# Altium PCB AudioBoxAmp.PcbDoc (part 2 of 2)
Units mil, origin at the board's own origin, x right, y up, seen from the top; angles counter-clockwise.
Board outline 3622 x 3543 mil, 4 copper layers (Top Layer, GND_2, VCC_3, Bottom Layer), stack 23.756 mil thick; 198 components, 124 nets, 577 pads, 120 vias.
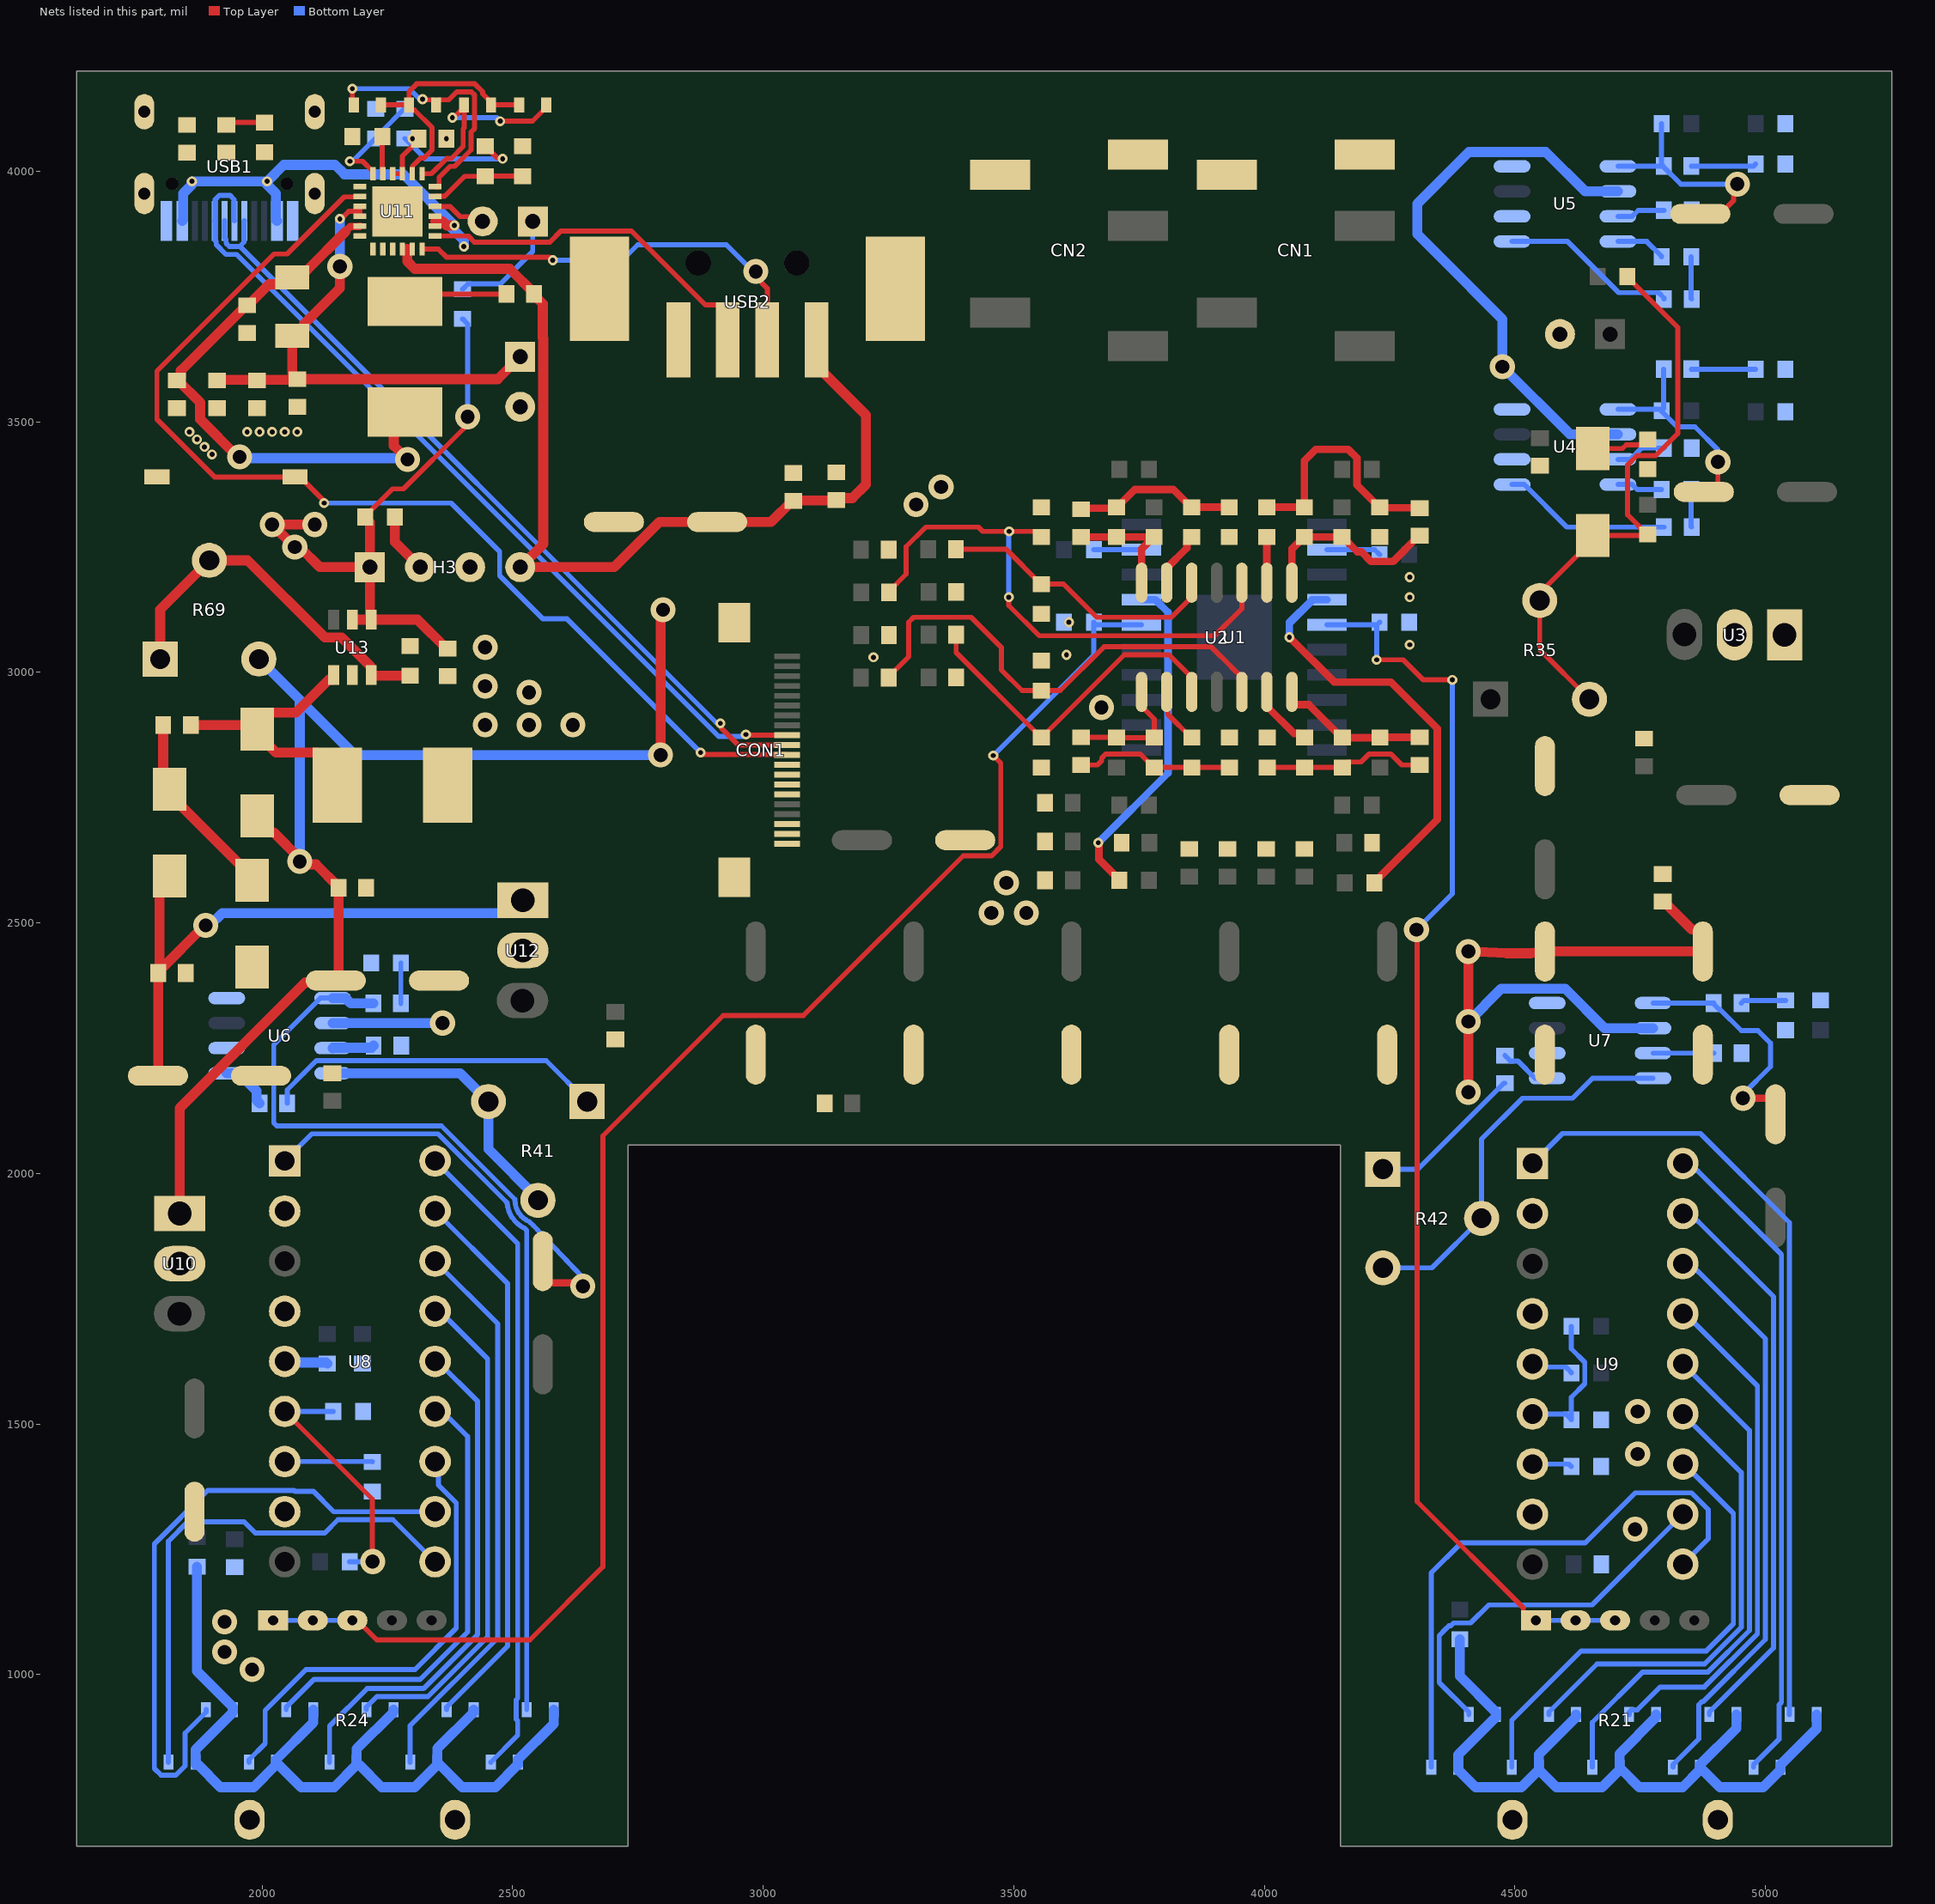
[diagram p4: the nets of this part, all layers, seen from the top]

## Via types
v1: diameter 50, hole 28, Top Layer to Bottom Layer, tented both sides, 72 vias
v2: diameter 20, hole 10, Top Layer to Bottom Layer, tented both sides, 47 vias
v3: diameter 50, hole 20, Top Layer to Bottom Layer, tented both sides, 1 vias

## Nets (pads, with @x,y where several pads share a name; then routed paths per layer and width w, separated by ;. In a path a pad name is that pad's centre, name@x,y a point inside that pad or via, vN(x,y) a via of type N, cw(c..) or ccw(c..) an arc to the next point about the centre after c; other vN are vias at no path point) (continued)
GND: C1.1 C2.2 C3.2 C4.1 C5.1 C6.1 C7.1 C8.1 C9.1 C10.1 C11.1 C12.1 C13.1 C14.2 C15.1 C16.1 C17.2 C18.2 C19.1 C20.2 C21.2 C30.2 C31.1 C33.2 C34.2 C35.2 C36.2 C42.2 C43.2 C44.2 C51.2 C52.2 C53.1 C54.1 C55.2 C56.2 C57.2 C59.2 C60.2 C61.2 C62.1 C63.2 C64.2 C65.2 C66.2 C67.1 C69.2 C70.2 C71.1 C72.2 C73.2 C74.2 CN1.1 CN1.5 CN2.1 CN2.5 CON1.6 CON1.7 CON1.8 CON1.9 CON1.21 CON1.22 D28.1 H1.2 H3.3 H4.2 R5.2 R8.2 R9.1 R12.1 R21.6 R22.1 R23.1 R24.6 R27.2 R28.2 R29.1 R32.1 R37.2 R39.1 R44.1 R45.1 R46.1 R47.1 R48.1 R49.1 R56.2 R57.2 R58.2 R59.2 R60.2 R65.2 R67.2 R70.2 R71.1 S1.2 U3.2 U4.2 U4.4 U5.2 U5.4 U6.2 U6.4 U7.2 U7.4 U8.2 U8.4 U8.8 U9.2 U9.4 U9.8 U10.2 U11.7 U11.12 U11.25 U12.2 U13.2 USB1.A1B12 USB1.B1A12 USB1.EP USB2.4 USB2.5
  other v1: 1980,1010 1925,1045 1925,1105 4740,1290 4745,1440 4745,1525 3455,2520 3525,2520 3485,2580 3675,2930 3305,3335 3355,3370
  other v2: 3220,3030 3605,3035 4290,3055 3610,3100 4290,3150 4290,3190 1900,3435 1885,3450 1870,3465 1855,3480 1970,3480 1995,3480 2020,3480 2045,3480 2070,3480 2367.55,4065
NetC22_1: C22.1 R5.1 R13.2 R17.2 | length 319.5
  Top Layer w10: C22.1@3634.24,2815.25 3666.96,2815.25 3675.28,2823.57 3675.28,2828.9 3683.6,2837.22 3752.24,2837.22 3779.12,2810.34 R13.2@3780.25,2810.34 R17.2@3855.34,2810.34 R5.1@3930.42,2810.34
NetC22_2: C22.2 R6.1 R13.1 U2.1 | length 248.1
  Top Layer w10: C22.2@3634.24,2870.36 3704.46,2870.36 R6.1@3705.17,2869.66 R13.1@3780.25,2869.66 3780.25,2906.91 3755,2932.16 U2.1@3755,2960.98
NetC23_1: C23.1 R7.1 R14.2 U2.14 | length 252
  Top Layer w15: C23.1@3634.16,3270.25 C23.1@3634.16,3270.25 R7.1@3778.82,3270.3 ; U2.14@3751.49,3195 U2.14@3755,3191.49 ; U2.14@3755,3179.01 U2.14@3755,3191.49 ; R7.1@3780,3270.34 R7.1@3780,3270.34 R7.1@3778.82,3270.3 ; U2.14@3755,3191.49 3755,3246.48 R7.1@3778.82,3270.3
NetC23_2: C23.2 R8.1 R14.1 R18.1 | length 326.9
  Top Layer w15: C23.2@3634.16,3325.36 3636.31,3327.51 3702.85,3327.51 R14.1@3705,3329.65 3706.13,3329.65 3741.48,3365 3818.52,3365 3853.87,3329.65 R18.1@3855,3329.65 R8.1@3930,3329.65
NetC24_2: C24.2 R9.2 U2.3 | length 693.3
  Top Layer w10: C24.2@3385,3075.19 3385,3039.66 3542.99,2881.66 3542.99,2880.53 3553.87,2869.66 3556.13,2869.66 3567.01,2880.53 3567.01,2881.66 3720.34,3035 3809.8,3035 3855,2989.8 U2.3@3855,2960.98
NetC25_1: C25.1 R12.2 U2.12 | length 572.5
  Top Layer w10: C25.1@3384.39,3245.77 3427.41,3245.77 3427.64,3246 3484.19,3246 3553.87,3176.32 3599.24,3176.32 3665.57,3110 3814.8,3110 3855,3150.2 U2.12@3855,3179.01
NetC26_1: C26.1 R27.1 U2.5 | length 973.6
  Top Layer w10: C26.1@3250.11,2989.44 3250.11,2991.41 3290,3031.3 3290,3100 3300,3110 3415,3110 3475,3050 3475,3005 3516.32,2963.68 R27.1@3555,2963.68 3592.83,2963.68 3680.15,3051 3894,3051 3933.29,3011.71 3933.29,3011.51 3955,2989.8 U2.5@3955,2960.98
NetC27_2: C27.2 R28.1 U2.10 | length 1117.9
  Top Layer w10: C27.2@3250.72,3159.6 3250.72,3161.57 3285.22,3196.07 3285.22,3250.74 3324.48,3290 3429.35,3290 3438.13,3281.22 3542.99,3281.22 3553.87,3270.34 R28.1@3555,3270.34 R28.1@3556.13,3270.34 ; v2(3490,3150) 3490,3133.57 3550.57,3073 3900.85,3073 3955,3127.15 U2.10@3955,3179.01 ; v2(3490.56,3281.22) v2@3495.43,3281.22
  Bottom Layer w10: v2(3490,3150) 3490,3280.66 v2(3490.56,3281.22)
NetC28_1: C28.1 R19.2 R25.2 R29.2 | length 324.7
  Top Layer w10: R29.2@4005.5,2810.34 R19.2@4080.59,2810.34 R25.2@4155.67,2810.34 4166.55,2821.22 4193.19,2821.22 4209.19,2837.22 4252.32,2837.22 4274.29,2815.25 C28.1@4310,2815.25
NetC28_2: C28.2 R25.1 R30.2 U2.7 | length 306.1
  Top Layer w10: R30.2@4230.76,2869.66 R30.2@4231.46,2870.36
  Top Layer w15: U2.7@4055,2960.98 4055,2938.91 4058.51,2935.4 4088.8,2935.4 4154.54,2869.66 R25.1@4155.67,2869.66 R30.2@4230.76,2869.66 ; R30.2@4231.46,2870.36 C28.2@4310,2870.36
NetC29_1: C29.1 R26.2 R31.2 U2.8 | length 373.7
  Top Layer w15: U2.8@4055,3179.01 4055,3246.48 4078.87,3270.34 R26.2@4080,3270.34 4156.13,3270.34 4185.72,3240.76 4193.69,3240.76 4212.97,3221.48 4257.06,3221.48 4308.03,3272.45 C29.1@4310,3272.45
NetC29_2: C29.2 R20.1 R26.1 R32.2 | length 487.2
  Top Layer w15: R20.1@4005,3329.65 R26.1@4080,3329.65 4080,3422.32 4102.68,3445 4167.32,3445 4184.72,3427.6 4184.72,3373.8 4228.87,3329.65 R32.2@4230,3329.65 4231.05,3328.6 4308.95,3328.6 C29.2@4310,3327.55
NetC32_1: C32.1 U4.1 | length 338.3
  Bottom Layer w10: U4.1@4494.39,3375 4518.7,3375 4603.7,3290 C32.1@4797.44,3290
NetC32_2: C32.2 R33.2 | length 74.9
  Bottom Layer w10: R33.2@4851.85,3364.64 4851.85,3290.7 C32.2@4852.56,3290
NetC33_1: C33.1 U4.7 | length 101.2
  Bottom Layer w10: U4.7@4705.61,3425 4729.92,3425 4752.53,3447.61 C33.1@4797.44,3447.61
NetC37_1: C37.1 R39.2 | length 128.4
  Bottom Layer w10: C37.1@4851.94,3605 R39.2@4980.35,3605
NetC37_2: C37.2 C38.1 R38.1 U4.5 | length 422.1
  Top Layer w10: C38.1@4877,3360 4891.14,3360 4905,3373.86 v1(4905,3420)
  Bottom Layer w10: U4.5@4705.61,3525 4789.79,3525 R38.1@4792.54,3522.25 ; C37.2@4796.84,3605 4796.84,3526.54 R38.1@4792.54,3522.25 ; v1(4905,3420) 4905,3444.18 4859.12,3490.06 4823.6,3490.06 4792.54,3521.12 R38.1@4792.54,3522.25
NetC39_1: C39.1 U5.1 | length 351.8
  Bottom Layer w10: U5.1@4494.39,3860 4604.98,3860 4707.26,3757.72 4786.7,3757.72 4797.44,3746.97 C39.1@4797.44,3745
NetC39_2: C39.2 R40.2 | length 84.7
  Bottom Layer w10: R40.2@4851.85,3829.38 4851.85,3745.7 C39.2@4852.56,3745
NetC40_1: C40.1 U6.1 | length 101.4
  Bottom Layer w20: U6.1@1929.39,2200 1953.7,2200 1989.14,2164.56 1989.14,2145.75 C40.1@1994.89,2140
NetC40_2: C40.2 R41.1 | length 683.2
  Bottom Layer w10: C40.2@2050,2140 2050.06,2140.06 2050.06,2166.86 2083.68,2200.47 2108.2,2225 2567,2225 R41.1@2648.5,2143.5
NetC41_1: C41.1 U7.1 | length 103.1
  Bottom Layer w10: C41.1@4480,2235.25 4490.75,2224.51 4505.57,2224.51 4540.08,2190 U7.1@4564.39,2190
NetC41_2: C41.2 R42.1 | length 314.6
  Bottom Layer w10: R42.1@4236.5,2008.5 4306.39,2008.5 4478.03,2180.14 C41.2@4480,2180.14
NetC42_1: C42.1 U5.7 | length 96.8
  Bottom Layer w10: U5.7@4705.61,3910 4733.93,3910 4746.01,3922.08 C42.1@4797.44,3922.08
NetC43_1: C43.1 U6.7 | length 83.9
  Bottom Layer w20: U6.7@2140.61,2250 2141.53,2250.92 2218.36,2250.92 C43.1@2222.45,2255
NetC44_1: C44.1 U7.7 | length 121.8
  Bottom Layer w10: U7.7@4775.61,2240 C44.1@4897.44,2240
NetC45_1: C45.1 R44.2 | length 130.1
  Bottom Layer w10: C45.1@4851.94,4010.41 4976.19,4010.41 R44.2@4980.35,4014.57
NetC45_2: C45.2 C46.1 R43.1 U5.5 | length 454.5
  Top Layer w10: C46.1@4870,3915 4910,3915 4936.2,3941.2 4936.2,3966.75 v1(4943.85,3974.41) v1@4944.45,3975
  Bottom Layer w10: U5.5@4705.61,4010 C45.2@4796.43,4010 ; R43.1@4792.54,4095 4792.54,4013.89 C45.2@4796.43,4010 ; v1(4943.85,3974.41) 4830.87,3974.41 4796.43,4008.84 C45.2@4796.43,4010
NetC47_1: C47.1 R46.2 | length 80.7
  Bottom Layer w10: R46.2@2276.85,2420 2276.95,2419.91 C47.1@2276.95,2339.37
NetC47_2: C47.2 C49.1 U6.5 | length 1289.3
  Top Layer w15: C49.1@2560,1825 2560,1793.25 2571.55,1781.7 2633.3,1781.7 v1(2640,1775)
  Bottom Layer w10: U6.5@2140.61,2350 2116.3,2350 2023.25,2256.95 2023.25,2100.86 2029.11,2095 2357.73,2095 2504.5,1948.23 2504.5,1946.5 ccw(c2550.5,1946.5) 2533.11,1903.91 2541.09,1895.93 2640,1791.95 v1(2640,1775)
  Bottom Layer w20: U6.5@2140.61,2350 2166.22,2350 2176.85,2339.37 C47.2@2221.84,2339.37
NetC48_1: C48.1 R47.2 | length 90.2
  Bottom Layer w10: C48.1@4951.94,2340 4957.24,2345.29 R47.2@5040,2345.29
NetC48_2: C48.2 C50.1 U7.5 | length 491.7
  Top Layer w15: v1(4955,2150) 5008.45,2150 5020,2138.45 C50.1@5020,2118
  Bottom Layer w10: U7.5@4775.61,2340 C48.2@4896.84,2340 4896.84,2338.03 4907.58,2327.28 4909.55,2327.28 4951.83,2285 4985,2285 5010,2260 5010,2212.96 4955,2157.96 v1(4955,2150)
NetC58_2: C58.2 L1.2 U11.13 U11.14 U11.15 | length 208.6
  Top Layer w10: L1.2@2285,3740.22 2299.78,3755 C58.2@2487.45,3755
NetC60_1: C60.1 R63.1 | length 78.6
  Top Layer w10: C60.1@1928.45,4092.55 1933.35,4097.46 R63.1@2005,4097.46
NetC64_1: C64.1 C66.1 L1.1 R68.1 U11.11 | length 1156.8
  Top Layer w15: 2166.1,3879.33 2166.1,3879.68 2176.22,3889.8 2194.23,3889.8 U11.11@2194.9,3890.47
  Top Layer w20: v1(1955,3430) 1951.35,3430 1876.28,3505.07 1876.28,3538.24 1831.97,3582.55 1837.72,3588.3 1837.72,3602.24 1968.03,3732.55 C64.1@1970,3732.55 1971.97,3732.55 2013.86,3774.45 2046.23,3774.45 2073.77,3801.99 2088.76,3801.99 2166.1,3879.33 ; L1.1@2285,3519.76 2262.74,3497.5 2262.74,3452.26 v1(2290,3425)
  Bottom Layer w20: v1(1955,3430) 1957.5,3427.5 2287.5,3427.5 v1(2290,3425)
NetC68_1: C68.1 D27.2 L2.1 U13.1 | length 570.7
  Top Layer w20: C68.1@1857.56,2895 1981.62,2895 D27.2@1990,2886.61 ; U13.1@2142.61,2994.88 2142.61,2986.02 2141.78,2985.19 2132.92,2985.19 2067.35,2919.63 2013.46,2919.63 1990,2896.16 D27.2@1990,2886.61 ; L2.1@2149.76,2775 2149.76,2800.59 2110.55,2839.8 2027.26,2839.8 1990,2877.07 D27.2@1990,2886.61
NetC68_2: C68.2 D26.1 D28.2 | length 385
  Top Layer w20: C68.2@1802.44,2895 1802.44,2779.17 D26.1@1815,2766.61 1815,2757.07 1954.06,2618.01 1956.54,2618.01 1980,2594.55 D28.2@1980,2585
NetD1_1: D1.1 R37.1 | length 117.6
  Top Layer w10: D1.1@4655,3446.61 4714.47,3446.61 4721.98,3454.12 4754.12,3454.12 R37.1@4765,3465
NetD1_2: D1.2 R34.1 R35.2 R35.3 R36.1 | length 1159.3
  Top Layer w10: R35.2@4648.5,2946.5 4549.5,3045.5 R35.3@4549.5,3143.5 4549.5,3158.34 4655,3263.84 D1.2@4655,3273.39 4763.04,3273.39 R36.1@4765,3275.34 4763.87,3275.34 4725,3314.21 4725,3414.13 4743.44,3432.57 4781.01,3432.57 4825,3476.56 4825,3688.52 4724.65,3788.87 R34.1@4724.65,3790
NetD2_1: D2.1 U8.1 | length 1550.1
  Bottom Layer w10: U8.1@2045,2025 2099,2079 2351.1,2079 2486.23,1943.87 2488.71,1941.39 ccw(c2550.5,1946.5) 2523.9,1890.5 2528,1886.39 D2.1@2528,930
NetD2_2: D2.2 D4.2 D6.2 D8.2 D10.2 D12.2 D14.2 D16.2 D18.2 D20.2 R50.2 | length 1809.5
  Bottom Layer w20: R50.2@1870,1215.35 1870,1007 1942,935 D18.2@1942,930 1942,925 1867,850 D20.2@1867,825 1867,820 1872,820 1917,775 1982.81,775 D16.2@2027.81,820 ; D14.2@2102,930 2102,904.19 2027.81,830 D16.2@2027.81,820 ; D10.2@2262,930 2262,925 2188.61,851.61 D12.2@2188.61,825 D12.2@2188.61,820 ; D6.2@2422,930 2422,925 2349.42,852.42 D8.2@2349.42,825 D8.2@2349.42,820 ; D2.2@2582,930 2582,901.78 2510.22,830 2510.22,820 2465.22,775 2399.42,775 2354.42,820 D8.2@2349.42,820 ; D16.2@2027.81,820 2032.81,820 2077.81,775 2143.61,775 D12.2@2188.61,820 ; D12.2@2188.61,820 2193.61,820 2238.61,775 2304.42,775 D8.2@2349.42,820
NetD3_1: D3.1 U9.1 | length 1593.6
  Bottom Layer w10: U9.1@4535,2020 4595,2080 4870,2080 5048,1902 D3.1@5048,920
NetD3_2: D3.2 D5.2 D7.2 D9.2 D11.2 D13.2 D15.2 D17.2 D19.2 D21.2 R51.2 | length 1641.4
  Bottom Layer w20: R51.2@4390,1070.35 4390,997 4462,925 D19.2@4462,920 4462,915 4387,840 D21.2@4387,815 4387,810 4422,775 4512.81,775 D17.2@4547.81,810 ; D15.2@4622,920 4622,915 4547.81,840.81 D17.2@4547.81,815 D17.2@4547.81,810 ; D11.2@4782,920 4782,915 4708.61,841.61 D13.2@4708.61,815 D13.2@4708.61,810 ; D7.2@4942,920 4942,892.58 4869.42,820 D9.2@4869.42,810 ; D3.2@5102,920 5102,891.78 5030.22,820 5030.22,810 4995.22,775 4909.42,775 4874.42,810 D9.2@4869.42,810 ; D17.2@4547.81,810 4582.81,775 4673.61,775 D13.2@4708.61,810 ; D13.2@4708.61,810 4713.61,810 4748.61,775 4834.42,775 D9.2@4869.42,810
NetD4_1: D4.1 U8.18 | length 1293.1
  Bottom Layer w10: U8.18@2345,2025 2510,1860 2510,952.56 2507,949.56 2507,910.44 2510,907.44 2510,878.78 D4.1@2456.22,825
NetD5_1: D5.1 U9.18 | length 1318.5
  Bottom Layer w10: U9.18@4835,2020 4849.34,2020 4864.72,2004.62 4865.38,2004.62 5032,1838 5032,944.56 5027,939.56 5027,870.78 4976.22,820 D5.1@4976.22,815
NetD6_1: D6.1 U8.17 | length 1105.6
  Bottom Layer w10: U8.17@2345,1925 2490,1780 2490,1057 2368,935 D6.1@2368,930
NetD7_1: D7.1 U9.17 | length 1136.8
  Bottom Layer w10: U9.17@4835,1920 4849.34,1920 4864.72,1904.62 4865.38,1904.62 5016,1754 5016,1053 4888,925 D7.1@4888,920
NetD8_1: D8.1 U8.16 | length 1124.1
  Bottom Layer w10: D8.1@2295.42,825 2295.42,897.97 2470,1072.56 2470,1700 U8.16@2345,1825
NetD9_1: D9.1 U9.16 | length 1160.1
  Bottom Layer w10: D9.1@4815.42,815 4815.42,820 4867,871.58 4867,939.56 4873.44,946 4876,946 5000,1070 5000,1670 4865.38,1804.62 4864.72,1804.62 4849.34,1820 U9.16@4835,1820
NetD10_1: D10.1 U8.15 | length 1004.2
  Bottom Layer w10: D10.1@2208,930 2208,935 2229,956 2330.82,956 2450,1075.18 2450,1630 2355,1725 U8.15@2345,1725
NetD11_1: D11.1 U9.15 | length 1029
  Bottom Layer w10: D11.1@4728,920 4728,924.61 4733,929.61 4744.61,929.61 4790,975 4877.88,975 4984,1081.12 4984,1576 4840,1720 U9.15@4835,1720
NetD12_1: D12.1 U8.14 | length 1026.4
  Bottom Layer w10: D12.1@2134.61,825 2134.61,897.17 2209.44,972 2322,972 2430,1080 2430,1545 2350,1625 U8.14@2345,1625
NetD13_1: D13.1 U9.14 | length 1066.2
  Bottom Layer w10: D13.1@4654.61,815 4654.61,904.61 4755,1005 4885.25,1005 4968,1087.75 4968,1487 U9.14@4835,1620
NetD14_1: D14.1 U8.13 | length 904.8
  Bottom Layer w10: D14.1@2048,930 2048,935 2103,990 2315,990 2410,1085 2410,1475 2375.38,1509.62 2374.72,1509.62 2359.34,1525 U8.13@2345,1525
NetD15_1: D15.1 U9.13 | length 933.2
  Bottom Layer w10: D15.1@4568,920 4568,925 4664,1021 4878.63,1021 4952,1094.37 4952,1403 U9.13@4835,1520
NetD16_1: D16.1 U8.12 | length 916.4
  Bottom Layer w10: D16.1@1973.81,825 1973.81,830 2006.12,862.32 2006.12,928.68 2087.44,1010 2305,1010 2387.5,1092.5 2387.5,1342.6 2351.59,1378.5 2351.59,1418.41 U8.12@2345,1425
NetD17_1: D17.1 U9.12 | length 978
  Bottom Layer w10: D17.1@4493.81,815 4493.81,908.81 4632,1047 4882,1047 4936,1101 4936,1321.63 4837.63,1420 U9.12@4835,1420
NetD18_1: D18.1 U8.11 | length 1274.3
  Bottom Layer w10: D18.1@1888,930 1888,925 1846,883 1846,817.44 1827.56,799 1798.44,799 1785,812.44 1785,1260.72 1891.77,1367.5 2063.87,1367.5 2065.5,1365.86 2101.97,1365.86 2142.83,1325 U8.11@2345,1325
NetD19_1: D19.1 U9.11 | length 774.4
  Bottom Layer w10: D19.1@4408,920 4408,925 4349,984 4349,1077.78 4361.99,1090.78 4368.44,1097.22 4372.22,1097.22 4377.78,1102.78 4411.56,1102.78 4447.78,1139 4654,1139 4825,1310 4825,1320 U9.11@4835,1320
NetD20_1: D20.1 U8.10 | length 1044.3
  Bottom Layer w10: D20.1@1813,825 1813,1266.09 1851.91,1305 1963.73,1305 1986.22,1282.5 2124.95,1282.5 2151.45,1309 2261,1309 U8.10@2345,1225
NetD21_1: D21.1 U9.10 | length 1151
  Bottom Layer w10: D21.1@4333,815 4333,1203 4392.5,1262.5 4640.05,1262.5 4740.05,1362.5 4852.6,1362.5 4885.86,1329.24 4885.86,1270.86 U9.10@4835,1220
NetD22_1: D22.1 D23.2 U11.24 | length 532.9
  Top Layer w10: D22.1@2178.77,4133.77 2180,4135 D22.1@2180,4135.5 ; v2(2180,4165) D22.1@2180,4135.5 ; D22.1@2183,4132.5 D22.1@2180,4135.5 ; v2(2320,4144) 2321.5,4142.5 2342,4142.5 D23.2@2347,4137.5 ; U11.24@2345.1,3969.21 2352.68,3969.21 2353.19,3969.72 2353.19,3987.88 2375.09,4009.78 2383.99,4009.78 2416.99,4042.79 2416.99,4078.33 2424,4085.33 2424,4152.06 2417.56,4158.5 2388.44,4158.5 2372.44,4142.5 2352,4142.5 D23.2@2347,4137.5 ; D23.2@2347,4132.5 D23.2@2347,4137.5
  Bottom Layer w10: v2(2180,4165) 2293.26,4165 2313.26,4145 2319,4145 v2(2320,4144)
NetD22_2: D22.2 D23.1 D24.2 D25.1 U11.2 | length 512.1
  Top Layer w10: D22.2@2237,4132.5 D23.1@2293,4132.5 ; U11.2@2299.53,3995.1 2300.04,3995.61 2300.04,4010.08 2316.36,4026.41 2322.87,4026.41 2339.19,4042.73 2339.19,4087.27 2303.97,4122.5 2298,4122.5 2293,4127.5 D23.1@2293,4132.5 ; D25.1@2513,4132.5 D24.2@2457,4132.5 2457,4137.5 2440,4154.5 2440,4158.68 2424.18,4174.5 2308.36,4174.5 2293,4159.14 D23.1@2293,4132.5
NetD24_1: D24.1 D25.2 U11.1 | length 426.6
  Top Layer w10: U11.1@2319.21,3995.1 2337.77,3995.1 2368.46,4025.78 2377.36,4025.78 2400.99,4049.42 2400.99,4084.95 2403,4086.96 D24.1@2403,4127.5 ; v2(2379.66,4106.91) 2382.41,4106.91 D24.1@2403,4127.5 ; D24.1@2403,4132.5 D24.1@2403,4127.5 ; v2(2475,4100) 2539.5,4100 2567,4127.5 D25.2@2567,4132.5
  Bottom Layer w10: v2(2379.66,4106.91) 2468.09,4106.91 v2(2475,4100)
NetH2_1: H2.1 R61.1 | length 231.2
  Bottom Layer w10: R61.1@2400,3764.66 2410.88,3775.53 2475.53,3775.53 2540,3840 H2.1@2540,3900
NetH2_2: H2.2 U11.22 | length 107.3
  Top Layer w10: U11.22@2345.1,3929.84 2374.65,3929.84 2395,3909.49 2430.51,3909.49 H2.2@2440,3900
NetH3_2: H3.2 R64.2 | length 120.9
  Top Layer w20: R64.2@2264.66,3310 2264.66,3260.34 H3.2@2315,3210
NetR10_2: R10.2 U1.2 | length 109.1
  Bottom Layer w10: U1.2@4125,3245 4220,3245 R10.2@4230,3235
NetR11_1: R11.1 U1.19 | length 95.3
  Bottom Layer w10: R11.1@3659.66,3245 U1.19@3754.92,3245
NetR15_2: R15.2 U1.4 | length 918.1
  Top Layer w15: v2(4050,3070) 4139.63,2980.37 4252.54,2980.37 4345,2887.92 4345,2706.48 4219.65,2581.13 R15.2@4219.65,2580
  Bottom Layer w15: v2(4050,3070) 4050,3097.8 ; U1.4@4094.75,3144.75 4050,3100 4050,3097.8 ; U1.4@4125,3145 4097.2,3145 4050,3097.8
NetR16_1: R16.1 U1.17 | length 674.6
  Top Layer w15: v2@3670,2660 v2(3668.5,2660) 3670,2658.5 3670,2626.48 3710.34,2586.13 R16.1@3710.34,2585
  Bottom Layer w15: v2(3668.5,2660) 3807.79,2799.29 3807.79,3119.69 3782.48,3145 U1.17@3754.92,3145
NetR17_1: R17.1 U2.2 | length 112.8
  Top Layer w10: U2.2@3805,2960.98 3807.41,2958.57 3807.41,2916.45 3854.2,2869.66 R17.1@3855.34,2869.66
NetR18_2: R18.2 U2.13 | length 112.7
  Top Layer w15: U2.13@3805,3179.01 3805,3207.83 3845.49,3248.33 3845.49,3261.97 3853.87,3270.34 R18.2@3855,3270.34
NetR19_1: R19.1 U2.6 | length 130.3
  Top Layer w15: U2.6@4005,2960.98 4005,2932.16 4059.13,2878.03 4072.21,2878.03 R19.1@4080.59,2869.66
NetR20_2: R20.2 U2.9 | length 91.3
  Top Layer w15: U2.9@4005,3179.01 R20.2@4005,3270.34
NetR21_1: R21.1 R21.2 R21.3 R22.2 U1.5 | length 2514.3
  Top Layer w10: v2(4224,3025) 4277.09,3025 4317.09,2985 v2(4375,2985) ; v1(4303.51,2486.49) 4305,2485 4305,1345 4517,1133 4517,1123 4532,1108 R21.1@4542,1108
  Bottom Layer w10: U1.5@4125,3095 R22.2@4225,3095 ; v2(4224,3025) 4224,3094 R22.2@4225,3095 ; R22.2@4230,3100 R22.2@4225,3095 ; v1(4303.51,2486.49) 4375,2557.98 v2(4375,2985) ; R21.1@4542,1108 R21.2@4621,1108 R21.3@4700,1108
NetR23_2: R23.2 R24.1 R24.2 R24.3 U1.16 | length 3262.1
  Top Layer w10: R24.3@2180,1108 2190,1108 2228.86,1069.14 2534.14,1069.14 2680,1215 2680,2075 2920,2315 3080,2315 3399,2634 3455.84,2634 3474,2652.16 3474,2818.93 v2(3458.96,2833.96)
  Bottom Layer w10: R24.1@2022,1108 R24.2@2101,1108 R24.3@2180,1108 ; v2(3458.96,2833.96) 3659.66,3034.66 R23.2@3659.66,3100 3664.66,3095 U1.16@3754.92,3095
NetR33_1: R33.1 U4.8 | length 91.2
  Bottom Layer w10: U4.8@4705.61,3375 4733.93,3375 4744.28,3364.64 R33.1@4792.54,3364.64
NetR40_1: R40.1 U5.8 | length 100.3
  Bottom Layer w10: U5.8@4705.61,3860 4763.05,3860 4792.54,3830.51 R40.1@4792.54,3829.38
NetR41_2: R41.2 R41.3 U6.8 | length 572.3
  Bottom Layer w20: U6.8@2140.61,2200 2395,2200 R41.2@2451.5,2143.5 2451.5,2048.5 2550.5,1949.5 R41.3@2550.5,1946.5
NetR42_2: R42.2 R42.3 U7.8 | length 788.4
  Bottom Layer w10: R42.2@4236.5,1811.5 4334.5,1811.5 R42.3@4433.5,1910.5 4433.5,2068.5 4515,2150 4615,2150 4655,2190 U7.8@4775.61,2190
NetR52_1: R52.1 U8.5 | length 86.9
  Bottom Layer w20: U8.5@2045,1625 2047.33,1622.67 2127.67,1622.67 R52.1@2130,1620.35
NetR53_1: R53.1 U9.5 | length 85.8
  Bottom Layer w10: U9.5@4535,1620 4541.33,1613.67 4601.67,1613.67 4612.54,1602.8 R53.1@4612.54,1601.67
NetR54_1: R54.1 R56.1 U8.6 | length 515
  Top Layer w10: U8.6@2045,1525 2220,1350 2220,1225.91 v1(2220.46,1225.46)
  Bottom Layer w10: U8.6@2045,1525 R56.1@2141.82,1525 ; R54.1@2174.66,1225 2220,1225 v1(2220.46,1225.46)
NetR55_1: R55.1 R58.1 U9.6 | length 291
  Bottom Layer w10: U9.6@4535,1520 4601.67,1520 R58.1@4612.54,1509.12 ; R58.1@4612.54,1508.33 R58.1@4612.54,1509.12 ; R55.1@4612.54,1695 4612.54,1650.11 4639.42,1623.23 4639.42,1580.1 4612.54,1553.23 R58.1@4612.54,1509.12
NetR57_1: R57.1 U8.7 | length 175.1
  Bottom Layer w10: U8.7@2045,1425 2219.66,1425 R57.1@2220,1424.65
NetR59_1: R59.1 U9.7 | length 79.6
  Bottom Layer w10: U9.7@4535,1420 4607.54,1420 R59.1@4612.54,1415
NetR60_1: R60.1 R62.1 U11.23 | length 191.8
  Top Layer w10: U11.23@2345.1,3949.53 2345.61,3950.04 2364.19,3950.04 2404.15,3990 2443.52,3990 2443.87,3990.34 R60.1@2520,3990.34
NetR65_1: R65.1 U11.5 | length 74.4
  Top Layer w10: R65.1@2239.66,4069.16 2239.66,4003.49 2240.47,4002.68 U11.5@2240.47,3995.1
NetR66_1: R66.1 R67.1 U11.6 | length 214.3
  Top Layer w10: v2(2175,4020) 2200.69,4020 2220.79,3999.9 U11.6@2220.79,3995.1
  Bottom Layer w10: v2(2175,4020) 2176.91,4021.91 2182.05,4021.91 2225.65,4065.51 R67.1@2226.78,4065.51 2227.91,4065.51 2238.79,4076.39 2238.79,4079.74 2283.87,4124.82 R66.1@2285,4124.82
PWR_5V: C16.2 C17.1 C18.1 C72.1 CON1.1 CON1.2 CON1.3 H3.1 L2.2 R61.2 R64.1 U4.6 U5.6 U6.6 U7.6 U13.4 U13.5 | length 3957.7
  Top Layer w10: R64.1@2205.34,3310 2205.34,3311.13 2260.26,3366.05 2281.96,3366.05 2402.35,3486.43 2402.35,3502.35 v1(2410,3510)
  Top Layer w20: v1(2105,3295) v1(2020,3295) v1(2065,3250) 2075,3250 2115,3210 H3.1@2215,3210 ; U13.5@2180,3105.12 U13.4@2217.4,3105.12 ; R64.1@2205.34,3310 2205.34,3308.87 2215,3299.21 H3.1@2215,3210 ; C72.1@2370,3047.55 2368.03,3047.55 2310.46,3105.12 U13.4@2217.4,3105.12 ; L2.2@2370.22,2775 L2.2@2370.22,2800.59 ; v1(4407,2162) v1(4407,2303) v1(4407,2443) 4483.48,2439.5 4531.84,2439.5 C17.1@4560,2443 C18.1@4875,2443 4875,2477.59 4865.76,2486.83 4852.59,2486.83 4796.97,2542.45 C16.2@4795,2542.45 ; H3.1@2215,3210 2215,3116.38 2217.4,3113.98 U13.4@2217.4,3105.12
  Bottom Layer w10: R61.2@2400,3705.34 2410,3695.34 v1(2410,3510)
  Bottom Layer w20: U6.6@2140.61,2300 v1(2360,2300) ; v1(4407,2303) 4472.4,2368.4 4600.47,2368.4 4678.87,2290 U7.6@4775.61,2290 ; U4.6@4705.61,3475 4610,3475 v1(4475,3610) 4475,3704.72 4346.75,3832.96 4305,3874.72 4305,3935 4408.4,4038.4 4561.6,4038.4 4640,3960 U5.6@4705.61,3960
  other v1: 2445,2895 2532.5,2895 2620,2895 2532.5,2960 2445,2972.5 2445,3050
PWR_DC_FB: R69.1 R69.3 R70.1 U13.3 | length 743.3
  Top Layer w20: R69.1@1796.5,3026.5 1796.5,3125.5 R69.3@1894.5,3223.5 1971.09,3223.5 2125.15,3069.44 2158.58,3069.44 2216.57,3011.45 2216.57,2995.71 U13.3@2217.4,2994.88 2217.4,2993.98 2218.23,2993.15 R70.1@2295,2993.15
PWR_DM: U11.18 USB2.2 | length 856.2
  Top Layer w10: U11.18@2319.21,3844.9 2351.54,3844.9 2367.65,3828.79 2573.79,3828.79 v2(2580,3822.57) ; v1(2985,3800) 2985,3789.42 3007.99,3766.42 USB2.2@3007.99,3663.34
  Bottom Layer w10: v2(2580,3822.57) 2718.48,3822.57 2749.39,3853.48 2926.52,3853.48 2980,3800 v1(2985,3800)
PWR_DP: U11.19 USB2.3 | length 718.6
  Top Layer w10: U11.19@2345.1,3870.79 2411.23,3870.79 2423.44,3858.57 2574.13,3858.57 2596.6,3881.04 2736.75,3881.04 2884.64,3733.15 2910.57,3733.15 2929.19,3714.52 USB2.3@2929.19,3663.34
PWR_HN0: C70.1 C71.2 D26.2 U12.1 | length 1191.1
  Top Layer w20: C71.2@1792,2195 1792.44,2195.45 C70.1@1792.44,2400 1792.44,2401.97 C70.1@1795,2404.52 ; D26.2@1815,2593.39 1795,2573.39 C70.1@1795,2404.52 ; v1(1887.44,2495) 1885.48,2495 C70.1@1795,2404.52
  Bottom Layer w20: v1(1887.44,2495) 1895.56,2495 1920.13,2519.57 2494.57,2519.57 U12.1@2520,2545
PWR_HP0: C73.1 C74.1 D27.1 R69.2 U3.1 U10.1 | length 2657.3
  Top Layer w20: U10.1@1835.39,1920 1835.39,2130.39 2086.17,2381.17 2143.17,2381.17 2152.45,2390.45 C74.1@2152.45,2570 2152.45,2571.97 2107.61,2616.8 2080.74,2616.8 v1(2075,2622.54) 2075,2628.39 2023.01,2680.37 2013.46,2680.37 1990,2703.84 D27.1@1990,2713.39 ; v1(2795,2835) 2795,3120 v1(2800,3125)
  Bottom Layer w20: v1(2075,2622.54) 2075,2945 R69.2@1993.5,3026.5 2185,2835 v1(2795,2835)
PWR_LED_KEY: CON1.10 S1.1 U11.8 | length 2211.3
  Top Layer w10: v2(2123.6,3338.01) 2123.6,3341.99 2075.59,3390 S1.1@2065.59,3390 1905,3390 1790,3505 1790,3601.58 2023.42,3835 2049.63,3835 2163.65,3949.02 2194.39,3949.02 U11.8@2194.9,3949.53 ; v2(2875,2840) 2879.02,2835.98 3046.82,2835.98 CON1.10@3047.73,2835.08
  Bottom Layer w10: v2(2123.6,3338.01) 2376.99,3338.01 2474,3241 2474,3193.02 2560.34,3106.68 2608.32,3106.68 v2(2875,2840)
PWR_USB_DM: CON1.12 USB1.A7 USB1.B7 | length 1727.5
  Top Layer w10: v2(2965.26,2875.91) 2966.73,2874.45 CON1.12@3047.73,2874.45
  Bottom Layer w10: USB1.A7@1944.84,3901.12 1943.94,3902.02 1943.94,3943.8 1935.62,3952.12 1914.7,3952.12 1906.38,3943.8 1906.38,3902.02 USB1.B7@1905.47,3901.12 1906.38,3900.21 1906.38,3862.13 1908.25,3860.26 1908.25,3853.62 1927.75,3834.12 1948.86,3834.12 2616.45,3166.53 2911,2871.98 2958.63,2871.98 2962.56,2875.91 v2(2965.26,2875.91)
PWR_USB_DP: CON1.11 USB1.A6 USB1.B6 | length 1639.7
  Top Layer w10: v2(2914.37,2898.31) 2916.29,2896.4 2916.29,2888.71 2950.24,2854.76 CON1.11@3047.73,2854.76
  Bottom Layer w10: USB1.A6@1925.16,3901.12 1925.16,3867.02 1927.94,3864.24 1927.94,3856.56 1934.38,3850.12 1955.3,3850.12 1963.62,3858.44 1963.62,3900.21 USB1.B6@1964.53,3901.12 ; 1955.4,3850.21 2905.39,2900.22 2912.46,2900.22 v2(2914.37,2898.31)
PWR_VBAT: C65.1 C67.2 C69.1 H4.1 R68.2 U11.9 U11.10 | length 1045.4
  Top Layer w10: v2(2155,3905) 2157.71,3905 2172.71,3920 2194.9,3920 ; U11.10@2194.9,3910.16 2194.9,3920 ; U11.9@2194.9,3929.84 2194.9,3920
  Top Layer w20: C69.1@1910,3582.55 1911.28,3583.83 2068.72,3583.83 C67.2@2070,3585.11 2470.11,3585.11 H4.1@2515,3630 ; C67.2@2060,3595.11 R68.2@2060,3671.78 2069.71,3671.78 2083.48,3685.55 2083.48,3695.27 2155,3766.78 v1(2155,3810)
  Bottom Layer w20: v1(2155,3810) v2(2155,3905)
PWR_VIN: C59.1 R63.2 U11.20 U11.21 USB1.A4B9 USB1.B4A9 | length 850.2
  Top Layer w20: 2345.1,3900.31 2360.14,3900.31 2368.67,3891.79 v2(2383.71,3891.79)
  Bottom Layer w20: USB1.A4B9@1840.51,3901.12 1842.32,3902.93 1842.32,3955.95 1860,3973.63 v2(1860,3980) v2(2010,3980) ; USB1.B4A9@2029.49,3901.12 2027.68,3902.93 2027.68,3955.56 2010,3973.23 v2(2010,3980) ; v2@2378.46,3886.54 2402.53,3862.47 v2(2402.53,3849.79) ; v2(2383.71,3891.79) 2281.5,3994 2164.23,3994 2145.4,4012.83 2042.83,4012.83 v2(2010,3980)
PWR_VOUT: C53.2 C54.2 C55.1 C58.1 H3.4 U11.16 U11.17 USB2.1 | length 1964.9
  Top Layer w20: 2289.69,3844.9 2289.69,3820.31 2304.56,3805.44 2494.09,3805.44 2542.55,3756.97 2542.55,3753.03 2560,3735.59 2560,3667.63 2561,3666.63 2561,3256 H3.4@2515,3210 2702.91,3210 2792.91,3300 C55.1@2908,3300 3015.59,3300 3058.81,3343.22 3145.1,3343.22 3149.76,3347.88 3177.88,3347.88 3205,3375 3205,3513.55 3106.39,3612.16 USB2.1@3106.39,3663.34
PWR_VREG: C61.1 R62.2 R66.2 U11.3 U11.4 | length 360.1
  Top Layer w10: U11.4@2260.16,3995.1 U11.3@2279.84,3995.1 2279.84,4030.43 2312.45,4063.03 C61.1@2312.45,4065 ; R62.2@2445,4049.66 2446.13,4049.66 2468.87,4026.91 2478.09,4026.91 v2(2480,4025)
  Bottom Layer w10: R66.2@2285,4065.51 2325.51,4025 v2(2480,4025)
  other v2: 2300,4065
pads on no net: U1.6 U1.7 U1.8 U1.9 U1.10 U1.11 U1.12 U1.13 U1.14 U1.15 U1.21 U13.6 USB1. USB1.A5 USB1.A8 USB1.B5 USB1.B8 USB2.

## Polygon pours and split planes (outlines as drawn)
GND on Top Layer "GND_L01_P005" (solid, pour order 5): 1630,4200 1635,4195 5250,4195 5250,655 5245,660 4150,660 4150,2060 2730,2060 2730,660 2725,655 1630,655
PWR_5V on Top Layer "PWR_5V_L01_P004" (solid, pour order 4): 2345,3105 2345,2655 3060,2655 3060,2695 3055,2700 2750,2700 2750,2845 2490,3105
NetC58_2 on Top Layer "NETC58_2_L01_P002" (solid, pour order 2): 2220.79,3844.9 2260.16,3844.9 2260,3755 2220.79,3755
PWR_VIN on Top Layer "PWR_VIN_L01_P000" (solid, pour order 0): 1825,4060 2035,4060 2035,3875 1825,3875
GND on Bottom Layer "GND_L04_P007" (solid, pour order 7): 1630,4200 5250,4200 5250,655 4155,655 4155,2060 4153.53,2061.47 2726.72,2061.47 2726.72,656.72 2725,655 1630,655
GND on GND_2 (split plane): 5231.9,677.1 4172.1,677.1 4172.1,2057 4171.71,2060.92 4170.57,2064.69 4168.71,2068.17 4166.21,2071.21 4163.17,2073.71 4159.69,2075.57 4155.92,2076.71 4152,2077.1 2730,2077.1 2726.08,2076.71 2722.31,2075.57 2718.83,2073.71 2715.79,2071.21 2713.29,2068.17 2711.43,2064.69 2710.29,2060.92 2709.9,2057 2709.9,677.1 1650.1,677.1 1650.1,4179.9 5231.9,4179.9
PWR_5V on VCC_3 (split plane): 2739.9,2590 2740.29,2588.05 2741.4,2586.4 2743.05,2585.29 2745,2584.9 3175,2584.9 3176.95,2585.29 3178.6,2586.4 3179.71,2588.05 3180.1,2590 3180.1,3657.89 3187.11,3664.9 4512.89,3664.9 4519.9,3657.89 4519.9,1395 4520.29,1393.05 4521.4,1391.4 4526.4,1386.4 4528.05,1385.29 4530,1384.9 5231.9,1384.9 5231.9,677.1 4172.1,677.1 4172.1,2057 4171.71,2060.92 4170.57,2064.69 4168.71,2068.17 4166.21,2071.21 4163.17,2073.71 4159.69,2075.57 4155.92,2076.71 4152,2077.1 2730,2077.1 2726.08,2076.71 2722.31,2075.57 2718.83,2073.71 2715.79,2071.21 2713.29,2068.17 2711.43,2064.69 2710.29,2060.92 2709.9,2057 2709.9,677.1 1650.1,677.1 1650.1,4179.9 2739.9,4179.9
PWR_HP0 on VCC_3 (split plane): 5231.9,1395.1 4532.11,1395.1 4530.1,1397.11 4530.1,3660 4529.71,3661.95 4528.6,3663.6 4518.6,3673.6 4516.95,3674.71 4515,3675.1 3185,3675.1 3183.05,3674.71 3181.4,3673.6 3171.4,3663.6 3170.29,3661.95 3169.9,3660 3169.9,2595.1 2750.1,2595.1 2750.1,4179.9 5231.9,4179.9
AU_B_VP on VCC_3 (split plane): 4439.9,3547.89 4439.9,2535.1 3275.1,2535.1 3275.1,3564.9 4422.89,3564.9

## Other copper
VCC_3 (plane layer: these items are gaps in the copper):
  lines w10: 2745,4200 2745,2590 3175,2590 3175,3660 3185,3670 4515,3670 4525,3660 4525,1395 4530,1390 5245,1390 5250,1395 5250,4190 5240,4200 ; 3270,2525 3270,3570 4425,3570 4445,3550 4445,2530 3275,2530 3270,2525

## Silkscreen, mask and mechanical layers (free items; w line width, h text height)
Top Overlay:
  rectangle: 5170,655 5250,4200
  rectangle: 1630,655 1710,4200
  text "LED / - +" at 2570,3960 h60
  text "AU- AU+" at 4535,3570.62 h60
  text "BAT+ / BAT-" at 2590,3530 h60
  text "5V LED+ LED- PWR" at 2140,3350.62 h60
Bottom Overlay:
  rectangle: 5170,655 5250,4200
  rectangle: 1630,655 1710,4200
  text "AudioBox模拟主板 / By Levent / V0.1 2022-05-08" at 3950,3810 h100
Mechanical 1:
  the board outline again, w10

## Text inside footprints (layer, text, board x,y; h text height)
C2: Top Overlay "+" at 4290,2410 h30 r270
C3: Top Overlay "+" at 3975,2410 h30 r270
C10: Top Overlay "+" at 3255,2270 h30 r90
C11: Top Overlay "+" at 3570,2270 h30 r90
C14: Top Overlay "+" at 4515,2640 h30 r90
C15: Top Overlay "+" at 3370,2620 h30 r180
C17: Top Overlay "+" at 4605,2410 h30 r270
C18: Top Overlay "+" at 4920,2410 h30 r270
C35: Top Overlay "+" at 4915,2800 h30
C38: Top Overlay "+" at 4910,3405 h30
C46: Top Overlay "+" at 4903,3960 h30
C49: Top Overlay "+" at 2605,1792 h30 r270
C50: Top Overlay "+" at 5065,2085 h30 r270
C55: Top Overlay "+" at 2875,3255 h30 r180
C56: Top Overlay "+" at 1910,1498 h30 r270
C62: Top Overlay "+" at 2940,2270 h30 r90
C71: Top Overlay "+" at 1965,2150 h30 r180
C73: Top Overlay "+" at 2180,2430 h30